# Altium PCB CW521_BallisticGel.PcbDoc (part 2 of 3)
Units mil, origin at the board's own origin, x right, y up, seen from the top; angles counter-clockwise.
Board outline 4645.67 x 3070.87 mil, 2 copper layers (Top Layer, Bottom Layer), stack 59.8 mil thick; 102 components, 83 nets, 501 pads, 442 vias.
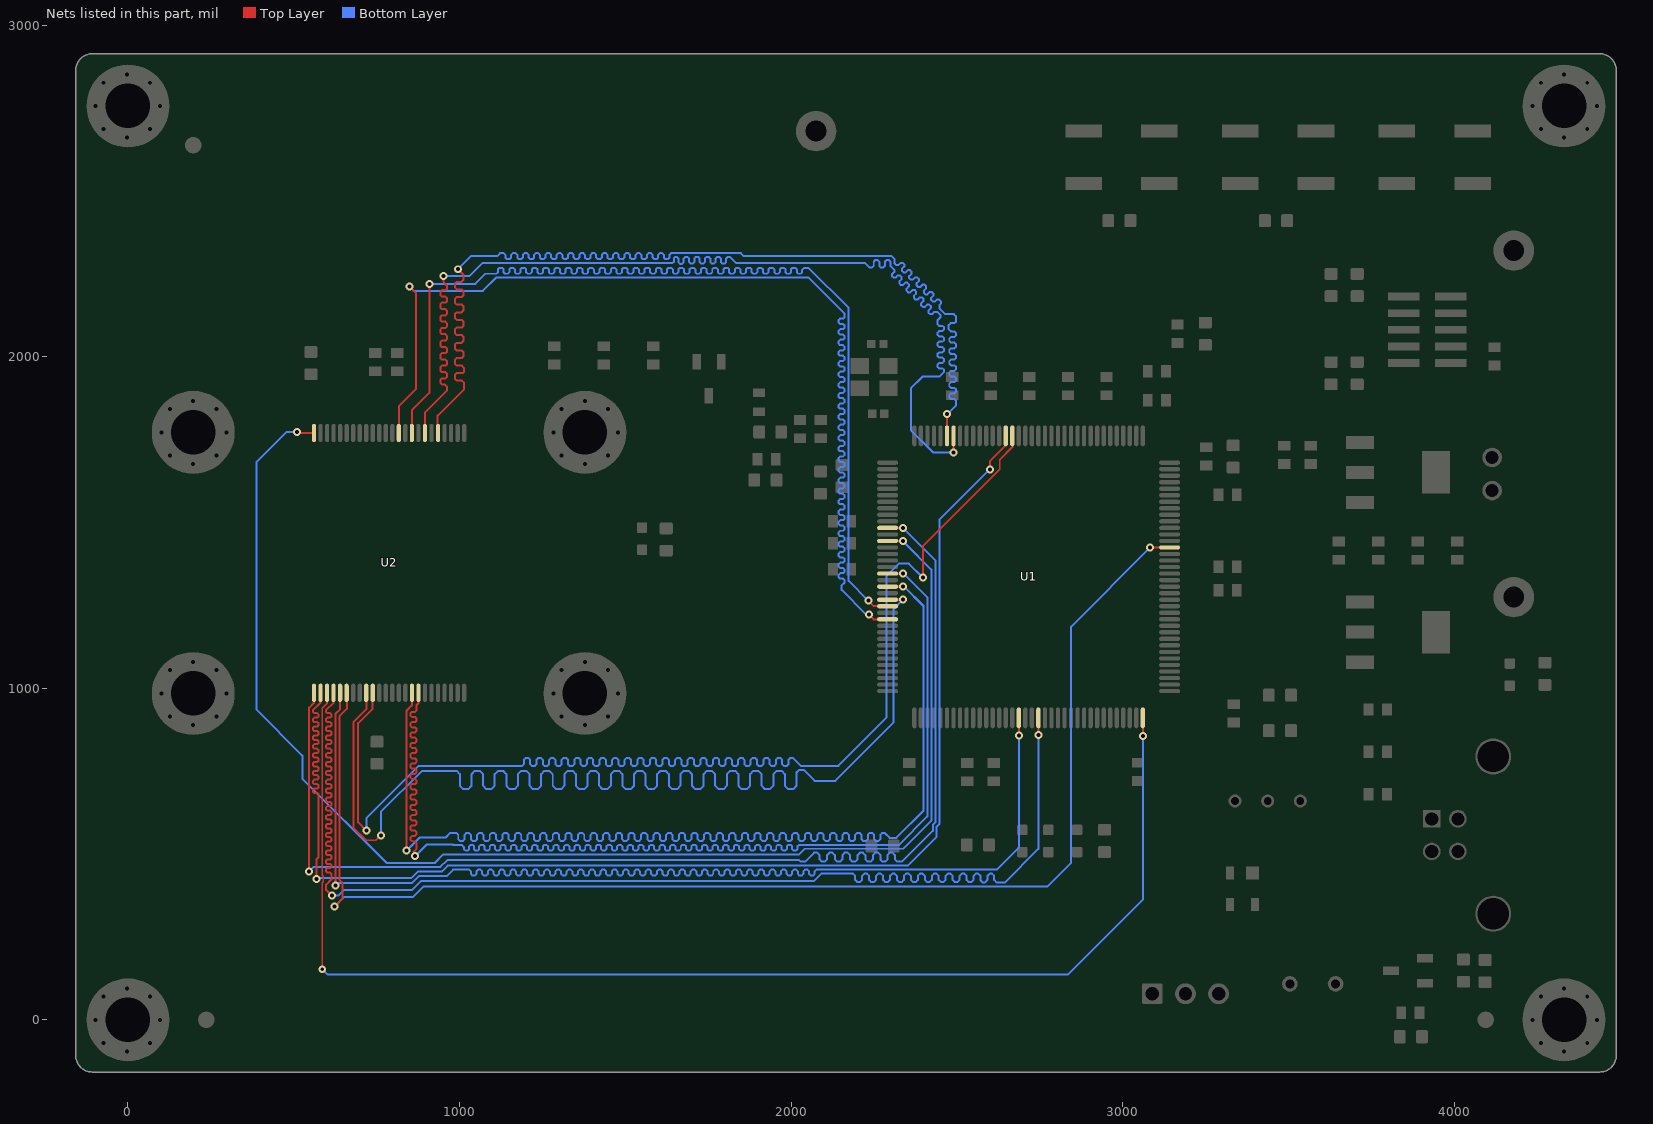
[diagram p2: the nets of this part, all layers, seen from the top]

## Via types
v1: diameter 24, hole 12, Top Layer to Bottom Layer, tented both sides, 327 vias
v2: diameter 30, hole 12, Top Layer to Bottom Layer, tented both sides, 113 vias
v3: diameter 24, hole 12, Top Layer to Bottom Layer, 2 vias

## Nets (pads, with @x,y where several pads share a name; then routed paths per layer and width w, separated by ;. In a path a pad name is that pad's centre, name@x,y a point inside that pad or via, vN(x,y) a via of type N, cw(c..) or ccw(c..) an arc to the next point about the centre after c; other vN are vias at no path point) (continued)
A11: U1.131 U2.6 | length 4055
  Top Layer w6: v1(622.91,341.54) 646.28,364.9 646.28,413.87 637.28,422.87 637.28,915.28 660,938 U2.6@660,989.8 ; v1(3082.61,1424.49) U1.131@3141.22,1424.49
  Bottom Layer w6: v1(622.91,341.54) 652.38,371 860,371 890.91,401.91 2772.02,401.91 2844.02,473.91 2844.02,1185.91 v1(3082.61,1424.49)
A12: U1.89 U2.5 | length 3839.7
  Top Layer w6: v1(625.28,405.17) 625.28,922.28 639.76,936.76 U2.5@639.76,986.22 ; v1(2686.5,857.43) U1.89@2686.5,910.71
  Bottom Layer w6: v1(625.28,405.17) 633.1,413 856.97,413 876.97,433 961,433 980.91,452.91 1029.02,452.91 1034.02,447.91 1034.02,439.91 1039.02,434.91 1046.02,434.91 1051.02,439.91 1051.02,447.91 1056.02,452.91 1063.02,452.91 1068.02,447.91 1068.02,439.91 1073.02,434.91 1080.02,434.91 1085.02,439.91 1085.02,447.91 1090.02,452.91 1097.02,452.91 1102.02,447.91 1102.02,439.91 1107.02,434.91 1114.02,434.91 1119.02,439.91 1119.02,447.91 1124.02,452.91 1131.02,452.91 1136.02,447.91 1136.02,439.91 1141.02,434.91 1148.02,434.91 1153.02,439.91 1153.02,447.91 1158.02,452.91 1165.02,452.91 1170.02,447.91 1170.02,439.91 1175.02,434.91 1182.02,434.91 1187.02,439.91 1187.02,447.91 1192.02,452.91 1199.02,452.91 1204.02,447.91 1204.02,439.91 1209.02,434.91 1216.02,434.91 1221.02,439.91 1221.02,447.91 1226.02,452.91 1233.02,452.91 1238.02,447.91 1238.02,439.91 1243.02,434.91 1250.02,434.91 1255.02,439.91 1255.02,447.91 1260.02,452.91 1267.02,452.91 1272.02,447.91 1272.02,439.91 1277.02,434.91 1284.02,434.91 1289.02,439.91 1289.02,447.91 1294.02,452.91 1301.02,452.91 1306.02,447.91 1306.02,439.91 1311.02,434.91 1318.02,434.91 1323.02,439.91 1323.02,447.91 1328.02,452.91 1335.02,452.91 1340.02,447.91 1340.02,439.91 1345.02,434.91 1352.02,434.91 1357.02,439.91 1357.02,447.91 1362.02,452.91 1369.02,452.91 1374.02,447.91 1374.02,439.91 1379.02,434.91 1386.02,434.91 1391.02,439.91 1391.02,447.91 1396.02,452.91 1403.02,452.91 1408.02,447.91 1408.02,439.91 1413.02,434.91 1420.02,434.91 1425.02,439.91 1425.02,447.91 1430.02,452.91 1437.02,452.91 1442.02,447.91 1442.02,439.91 1447.02,434.91 1454.02,434.91 1459.02,439.91 1459.02,447.91 1464.02,452.91 1471.02,452.91 1476.02,447.91 1476.02,439.91 1481.02,434.91 1488.02,434.91 1493.02,439.91 1493.02,447.91 1498.02,452.91 1505.02,452.91 1510.02,447.91 1510.02,439.91 1515.02,434.91 1522.02,434.91 1527.02,439.91 1527.02,447.91 1532.02,452.91 1539.02,452.91 1544.02,447.91 1544.02,439.91 1549.02,434.91 1556.02,434.91 1561.02,439.91 1561.02,447.91 1566.02,452.91 1573.02,452.91 1578.02,447.91 1578.02,439.91 1583.02,434.91 1590.02,434.91 1595.02,439.91 1595.02,447.91 1600.02,452.91 1607.02,452.91 1612.02,447.91 1612.02,439.91 1617.02,434.91 1624.02,434.91 1629.02,439.91 1629.02,447.91 1634.02,452.91 1641.02,452.91 1646.02,447.91 1646.02,439.91 1651.02,434.91 1658.02,434.91 1663.02,439.91 1663.02,447.91 1668.02,452.91 1675.02,452.91 1680.02,447.91 1680.02,439.91 1685.02,434.91 1692.02,434.91 1697.02,439.91 1697.02,447.91 1702.02,452.91 1709.02,452.91 1714.02,447.91 1714.02,439.91 1719.02,434.91 1726.02,434.91 1731.02,439.91 1731.02,447.91 1736.02,452.91 1743.02,452.91 1748.02,447.91 1748.02,439.91 1753.02,434.91 1760.02,434.91 1765.02,439.91 1765.02,447.91 1770.02,452.91 1777.02,452.91 1782.02,447.91 1782.02,439.91 1787.02,434.91 1794.02,434.91 1799.02,439.91 1799.02,447.91 1804.02,452.91 1811.02,452.91 1816.02,447.91 1816.02,439.91 1821.02,434.91 1828.02,434.91 1833.02,439.91 1833.02,447.91 1838.02,452.91 1845.02,452.91 1850.02,447.91 1850.02,439.91 1855.02,434.91 1862.02,434.91 1867.02,439.91 1867.02,447.91 1872.02,452.91 1879.02,452.91 1884.02,447.91 1884.02,439.91 1889.02,434.91 1896.02,434.91 1901.02,439.91 1901.02,447.91 1906.02,452.91 1913.02,452.91 1918.02,447.91 1918.02,439.91 1923.02,434.91 1930.02,434.91 1935.02,439.91 1935.02,447.91 1940.02,452.91 1947.02,452.91 1952.02,447.91 1952.02,439.91 1957.02,434.91 1964.02,434.91 1969.02,439.91 1969.02,447.91 1974.02,452.91 1981.02,452.91 1986.02,447.91 1986.02,439.91 1991.02,434.91 1998.02,434.91 2003.02,439.91 2003.02,447.91 2008.02,452.91 2015.02,452.91 2020.02,447.91 2020.02,439.91 2025.02,434.91 2032.02,434.91 2037.02,439.91 2037.02,447.91 2042.02,452.91 2049.02,452.91 2054.02,447.91 2054.02,439.91 2059.02,434.91 2066.02,434.91 2071.02,439.91 2071.02,447.91 2076.02,452.91 2620.02,452.91 2686.5,519.38 v1(2686.5,857.43)
A13: U1.92 U2.4 | length 4035.6
  Top Layer w6: v1(614.91,374.54) 597.91,391.54 597.91,407.86 613.28,423.23 613.28,440.17 608.91,444.54 600.91,444.54 597.91,447.54 597.91,454.53 600.91,457.54 610.28,457.54 613.28,460.54 613.28,467.17 609.91,470.54 600.91,470.54 597.91,473.54 597.91,480.53 601.27,483.89 610.28,483.89 613.28,486.89 613.28,493.88 609.91,497.24 600.91,497.24 597.91,500.24 597.91,507.24 601.27,510.6 610.28,510.6 613.28,513.6 613.28,520.59 609.91,523.95 600.91,523.95 597.91,526.95 597.91,533.94 601.27,537.31 610.28,537.31 613.28,540.31 613.28,547.3 609.91,550.66 600.91,550.66 597.91,553.66 597.91,560.65 601.27,564.02 610.28,564.02 613.28,567.02 613.28,574.01 609.91,577.37 600.91,577.37 597.91,580.37 597.91,587.36 601.27,590.72 610.28,590.72 613.28,593.72 613.28,600.72 609.91,604.08 600.91,604.08 597.91,607.08 597.91,614.07 601.27,617.43 610.28,617.43 613.28,620.43 613.28,627.42 609.91,630.79 600.91,630.79 597.91,633.79 597.91,640.78 601.27,644.14 610.28,644.14 613.28,647.14 613.28,654.13 609.91,657.5 600.91,657.5 597.91,660.5 597.91,667.49 601.27,670.85 610.28,670.85 613.28,673.85 613.28,680.84 609.91,684.2 600.91,684.2 597.91,687.2 597.91,694.2 601.27,697.56 610.28,697.56 613.28,700.56 613.28,707.55 609.91,710.91 600.91,710.91 597.91,713.91 597.91,720.91 601.27,724.27 610.28,724.27 613.28,727.27 613.28,734.26 609.91,737.62 600.91,737.62 597.91,740.62 597.91,747.61 601.27,750.98 610.28,750.98 613.28,753.98 613.28,760.97 609.91,764.33 600.91,764.33 597.91,767.33 597.91,774.32 601.27,777.68 610.28,777.68 613.28,780.68 613.28,787.68 609.91,791.04 600.91,791.04 597.91,794.04 597.91,801.03 601.27,804.39 610.28,804.39 613.28,807.39 613.28,814.39 609.91,817.75 600.91,817.75 597.91,820.75 597.91,827.74 601.27,831.1 610.28,831.1 613.28,834.1 613.28,841.09 609.91,844.46 600.91,844.46 597.91,847.46 597.91,854.45 601.27,857.81 610.28,857.81 613.28,860.81 613.28,867.8 609.91,871.16 600.91,871.16 597.91,874.16 597.91,881.16 601.27,884.52 610.28,884.52 613.28,887.52 613.28,894.51 609.91,897.87 600.91,897.87 597.91,900.87 597.91,907.87 601.27,911.23 610.28,911.23 613.28,914.23 613.28,921.22 609.91,924.58 600.91,924.58 597.91,927.58 597.91,934.57 620.08,956.75 U2.4@620.08,986.22 ; v1(2745.55,859.38) U1.92@2745.55,910.71
  Bottom Layer w6: v1(614.91,374.54) 634.54,374.54 652,392 857,392 883.91,418.91 2069.02,418.91 2091.02,440.91 2186.02,440.91 2193.02,433.91 2193.02,421.91 2200.02,414.91 2207.02,414.91 2214.02,421.91 2214.02,433.91 2221.02,440.91 2228.02,440.91 2235.02,433.91 2235.02,421.91 2242.02,414.91 2249.02,414.91 2256.02,421.91 2256.02,433.91 2263.02,440.91 2270.02,440.91 2277.02,433.91 2277.02,421.91 2284.02,414.91 2291.02,414.91 2298.02,421.91 2298.02,433.91 2305.02,440.91 2312.02,440.91 2319.02,433.91 2319.02,421.91 2326.02,414.91 2333.02,414.91 2340.02,421.91 2340.02,433.91 2347.02,440.91 2354.02,440.91 2361.02,433.91 2361.02,421.91 2368.02,414.91 2375.02,414.91 2382.02,421.91 2382.02,433.91 2389.02,440.91 2396.02,440.91 2403.02,433.91 2403.02,421.91 2410.02,414.91 2417.02,414.91 2424.02,421.91 2424.02,433.91 2431.02,440.91 2438.02,440.91 2445.02,433.91 2445.02,421.91 2452.02,414.91 2459.02,414.91 2466.02,421.91 2466.02,433.91 2473.02,440.91 2480.02,440.91 2487.02,433.91 2487.02,421.91 2494.02,414.91 2501.02,414.91 2508.02,421.91 2508.02,433.91 2515.02,440.91 2522.02,440.91 2529.02,433.91 2529.02,421.91 2536.02,414.91 2543.02,414.91 2550.02,421.91 2550.02,433.91 2557.02,440.91 2564.02,440.91 2571.02,433.91 2571.02,420.91 2578.02,413.91 2584.02,413.91 2592.02,421.91 2592.02,433.91 2599.02,440.91 2605.02,440.91 2612.02,433.91 2612.02,421.91 2620.02,413.91 2643.72,413.91 2745.55,515.73 v1(2745.55,859.38)
A14: U1.108 U2.3 | length 3964.9
  Top Layer w6: v1(585.91,152.54) 585.91,412.83 588.91,415.84 588.91,433.23 585.91,436.24 585.91,939.91 600.39,954.39 U2.3@600.39,986.22 ; v1(3060.51,855.42) U1.108@3060.51,910.71
  Bottom Layer w6: v1(585.91,152.54) 601.45,137 2835.12,137 3060.51,362.39 v1(3060.51,855.42)
A15: U1.22 U2.2 | length 4013.7
  Top Layer w6: v1(567.91,424.54) 567.91,483.54 573.91,489.53 573.91,680.84 570.54,684.2 561.54,684.2 558.54,687.2 558.54,694.2 561.9,697.56 570.91,697.56 573.91,700.56 573.91,707.55 570.54,710.91 561.54,710.91 558.54,713.91 558.54,720.91 561.9,724.27 570.91,724.27 573.91,727.27 573.91,734.26 570.54,737.62 561.54,737.62 558.54,740.62 558.54,747.61 561.9,750.98 570.91,750.98 573.91,753.98 573.91,760.97 570.54,764.33 561.54,764.33 558.54,767.33 558.54,774.32 561.9,777.68 570.91,777.68 573.91,780.68 573.91,787.68 570.54,791.04 561.54,791.04 558.54,794.04 558.54,801.03 561.9,804.39 570.91,804.39 573.91,807.39 573.91,814.39 570.54,817.75 561.54,817.75 558.54,820.75 558.54,827.74 561.9,831.1 570.91,831.1 573.91,834.1 573.91,841.09 570.54,844.46 561.54,844.46 558.54,847.46 558.54,854.45 561.9,857.81 570.91,857.81 573.91,860.81 573.91,867.8 570.54,871.16 561.54,871.16 558.54,874.16 558.54,881.16 561.9,884.52 570.91,884.52 573.91,887.52 573.91,894.51 570.54,897.87 561.54,897.87 558.54,900.87 558.54,907.87 561.9,911.23 570.91,911.23 573.91,914.23 573.91,921.22 570.54,924.58 561.54,924.58 558.54,927.58 558.54,934.57 580.71,956.75 U2.2@580.71,986.22 ; v1(2599.02,1659.91) 2599.02,1684.91 2647.13,1733.01 U1.22@2647.13,1761.1
  Bottom Layer w6: v1(567.91,424.54) 570.38,427 854,427 874,447 946,447 963.91,464.91 2351.72,464.91 2439,552.18 2439,582.58 2447.02,590.6 2447.02,1507.91 v1(2599.02,1659.91)
A16: U1.47 U2.1 | length 3708.6
  Top Layer w6: v1(546.54,447.16) 546.54,941.54 561.02,956.02 U2.1@561.02,986.22 ; U1.47@2290.83,1483.54 v1(2337.02,1483.54) v1@2345.39,1483.54
  Bottom Layer w6: v1(546.54,447.16) 560.38,461 942,461 962.91,481.91 2023.99,481.91 2028.99,476.91 2042.52,476.91 2069.52,503.91 2078.52,503.91 2085.52,496.91 2085.52,483.91 2092.52,476.91 2101.52,476.91 2108.52,483.91 2108.52,496.91 2115.52,503.91 2124.52,503.91 2131.52,496.91 2131.52,483.91 2138.52,476.91 2147.52,476.91 2154.52,483.91 2154.52,496.91 2161.52,503.91 2170.52,503.91 2177.52,496.91 2177.52,483.91 2184.52,476.91 2193.52,476.91 2200.52,483.91 2200.52,496.91 2207.52,503.91 2216.52,503.91 2223.52,496.91 2223.52,483.91 2230.52,476.91 2239.52,476.91 2246.52,483.91 2246.52,496.91 2253.52,503.91 2262.52,503.91 2269.52,496.91 2269.52,482.41 2275.02,476.91 2284.02,476.91 2290.02,482.91 2290.02,496.91 2297.02,503.91 2306.02,503.91 2313.02,496.91 2313.02,483.91 2320.02,476.91 2334.02,476.91 2427,569.88 2427,587.55 2435.02,595.57 2435.02,1385.91 2345.39,1475.54 v1@2345.39,1483.54
A17: U1.49 U2.48 | length 4210.9
  Top Layer w6: v1(509.57,1773.27) 513.16,1769.69 U2.48@561.02,1769.69 ; U1.49@2290.83,1444.17 v1(2337.02,1444.17) v1@2344.76,1444.17
  Bottom Layer w6: v1(509.57,1773.27) 478.27,1773.27 387,1682 387,936 526.02,796.98 526.02,726.98 780,473 925,473 949.91,497.91 2023.02,497.91 2041.02,515.91 2338.38,515.91 2423.02,600.54 2423.02,1357.91 2344.76,1436.17 v1@2344.76,1444.17
A18: U1.54 U2.17 | length 4029.8
  Top Layer w6: v1(865.8,494) 865.8,503.23 861.5,507.54 870.5,516.54 870.5,532.95 864.91,538.54 856.91,538.54 851.91,543.54 851.91,549.54 856.91,554.54 865.5,554.54 869.91,558.95 869.91,566.54 865.91,570.54 855.91,570.54 851.91,574.54 851.91,582.12 855.91,586.12 865.91,586.12 869.91,590.12 869.91,597.7 865.91,601.7 855.91,601.7 851.91,605.7 851.91,613.28 855.91,617.28 865.91,617.28 869.91,621.28 869.91,628.87 865.91,632.87 855.91,632.87 851.91,636.87 851.91,644.45 855.91,648.45 865.91,648.45 869.91,652.45 869.91,660.03 865.91,664.03 855.91,664.03 851.91,668.03 851.91,675.61 855.91,679.61 865.91,679.61 869.91,683.61 869.91,691.2 865.91,695.2 855.91,695.2 851.91,699.2 851.91,706.78 855.91,710.78 865.91,710.78 869.91,714.78 869.91,722.36 865.91,726.36 855.91,726.36 851.91,730.36 851.91,737.94 855.91,741.94 865.91,741.94 869.91,745.94 869.91,753.53 865.91,757.53 855.91,757.53 851.91,761.53 851.91,769.11 855.91,773.11 865.91,773.11 869.91,777.11 869.91,784.69 865.91,788.69 855.91,788.69 851.91,792.69 851.91,800.27 855.91,804.27 865.91,804.27 869.91,808.27 869.91,815.86 865.91,819.86 855.91,819.86 851.91,823.86 851.91,831.44 855.91,835.44 865.91,835.44 869.91,839.44 869.91,847.02 865.91,851.02 855.91,851.02 851.91,855.02 851.91,862.6 855.91,866.6 865.91,866.6 869.91,870.6 869.91,878.19 865.91,882.19 855.91,882.19 851.91,886.19 851.91,893.77 855.91,897.77 865.91,897.77 869.91,901.77 869.91,909.35 865.91,913.35 855.91,913.35 851.91,917.35 851.91,924.94 855.91,928.94 865.91,928.94 869.91,932.94 869.91,947.91 875.98,953.98 U2.17@875.98,986.22 ; U1.54@2290.83,1345.75 v1(2337.02,1345.75) v1@2339.18,1345.75
  Bottom Layer w6: v1(865.8,494) 900.29,528.49 979.61,528.49 980.19,527.91 1006.02,527.91 1013.02,520.91 1013.02,514.91 1018.02,509.91 1024.02,509.91 1029.02,514.91 1029.02,522.91 1034.02,527.91 1040.02,527.91 1044.02,523.91 1044.02,513.91 1048.02,509.91 1055.02,509.91 1059.02,513.91 1059.02,522.91 1064.02,527.91 1071.02,527.91 1075.02,523.91 1075.02,514.91 1080.02,509.91 1087.02,509.91 1091.02,513.91 1091.02,522.91 1096.02,527.91 1103.02,527.91 1107.02,523.91 1107.02,514.91 1112.02,509.91 1118.02,509.91 1123.02,514.91 1123.02,522.91 1128.02,527.91 1134.02,527.91 1139.02,522.91 1139.02,514.91 1144.02,509.91 1150.02,509.91 1155.02,514.91 1155.02,522.91 1160.02,527.91 1166.02,527.91 1171.02,522.91 1171.02,514.91 1176.02,509.91 1182.02,509.91 1187.02,514.91 1187.02,522.91 1192.02,527.91 1198.02,527.91 1203.02,522.91 1203.02,514.91 1208.02,509.91 1214.02,509.91 1219.02,514.91 1219.02,522.91 1224.02,527.91 1230.02,527.91 1235.02,522.91 1235.02,514.91 1240.02,509.91 1246.02,509.91 1251.02,514.91 1251.02,522.91 1256.02,527.91 1262.02,527.91 1267.02,522.91 1267.02,514.91 1272.02,509.91 1278.02,509.91 1283.02,514.91 1283.02,522.91 1288.02,527.91 1294.02,527.91 1299.02,522.91 1299.02,514.91 1304.02,509.91 1310.02,509.91 1315.02,514.91 1315.02,522.91 1320.02,527.91 1326.02,527.91 1331.02,522.91 1331.02,514.91 1336.02,509.91 1342.02,509.91 1347.02,514.91 1347.02,522.91 1352.02,527.91 1358.02,527.91 1363.02,522.91 1363.02,514.91 1368.02,509.91 1374.02,509.91 1379.02,514.91 1379.02,522.91 1384.02,527.91 1390.02,527.91 1395.02,522.91 1395.02,514.91 1400.02,509.91 1406.02,509.91 1411.02,514.91 1411.02,522.91 1416.02,527.91 1422.02,527.91 1427.02,522.91 1427.02,514.91 1432.02,509.91 1438.02,509.91 1443.02,514.91 1443.02,522.91 1448.02,527.91 1454.02,527.91 1459.02,522.91 1459.02,514.91 1464.02,509.91 1470.02,509.91 1475.02,514.91 1475.02,522.91 1480.02,527.91 1486.02,527.91 1491.02,522.91 1491.02,514.91 1496.02,509.91 1502.02,509.91 1507.02,514.91 1507.02,522.91 1512.02,527.91 1518.02,527.91 1523.02,522.91 1523.02,514.91 1528.02,509.91 1534.02,509.91 1539.02,514.91 1539.02,522.91 1544.02,527.91 1550.02,527.91 1555.02,522.91 1555.02,514.91 1560.02,509.91 1566.02,509.91 1571.02,514.91 1571.02,522.91 1576.02,527.91 1582.02,527.91 1587.02,522.91 1587.02,514.91 1592.02,509.91 1598.02,509.91 1603.02,514.91 1603.02,522.91 1608.02,527.91 1614.02,527.91 1619.02,522.91 1619.02,514.91 1624.02,509.91 1630.02,509.91 1635.02,514.91 1635.02,522.91 1640.02,527.91 1646.02,527.91 1651.02,522.91 1651.02,514.91 1656.02,509.91 1662.02,509.91 1667.02,514.91 1667.02,522.91 1672.02,527.91 1678.02,527.91 1683.02,522.91 1683.02,514.91 1688.02,509.91 1694.02,509.91 1699.02,514.91 1699.02,522.91 1704.02,527.91 1710.02,527.91 1715.02,522.91 1715.02,514.91 1720.02,509.91 1726.02,509.91 1731.02,514.91 1731.02,522.91 1736.02,527.91 1742.02,527.91 1747.02,522.91 1747.02,514.91 1752.02,509.91 1758.02,509.91 1763.02,514.91 1763.02,522.91 1768.02,527.91 1774.02,527.91 1779.02,522.91 1779.02,514.91 1784.02,509.91 1790.02,509.91 1795.02,514.91 1795.02,522.91 1800.02,527.91 1806.02,527.91 1811.02,522.91 1811.02,514.91 1816.02,509.91 1822.02,509.91 1827.02,514.91 1827.02,522.91 1832.02,527.91 1838.02,527.91 1843.02,522.91 1843.02,514.91 1848.02,509.91 1854.02,509.91 1859.02,514.91 1859.02,522.91 1864.02,527.91 1870.02,527.91 1875.02,522.91 1875.02,514.91 1880.02,509.91 1886.02,509.91 1891.02,514.91 1891.02,522.91 1896.02,527.91 1902.02,527.91 1907.02,522.91 1907.02,514.91 1912.02,509.91 1918.02,509.91 1923.02,514.91 1923.02,522.91 1928.02,527.91 1934.02,527.91 1939.02,522.91 1939.02,514.91 1944.02,509.91 1950.02,509.91 1955.02,514.91 1955.02,522.91 1960.02,527.91 1966.02,527.91 1971.02,522.91 1971.02,514.91 1976.02,509.91 1982.02,509.91 1987.02,514.91 1987.02,522.91 1992.02,527.91 1998.02,527.91 2003.02,522.91 2003.02,514.91 2008.02,509.91 2014.02,509.91 2019.02,514.91 2019.02,522.91 2024.02,527.91 2325.63,527.91 2411.02,613.3 2411.02,1273.91 v1@2339.18,1345.75
A19: U1.56 U2.16 | length 4018.1
  Top Layer w6: v1(839.91,510.54) 839.91,931.91 856.3,948.3 U2.16@856.3,986.22 ; U1.56@2290.83,1306.38 v1(2337.02,1306.38) v1@2340.55,1306.38
  Bottom Layer w6: v1(839.91,510.54) 879.28,549.91 958.02,549.91 971.02,562.91 991.02,562.91 996.02,557.91 996.02,544.91 1001.02,539.91 1010.02,539.91 1015.02,544.91 1015.02,557.91 1020.02,562.91 1029.02,562.91 1034.02,557.91 1034.02,544.91 1039.02,539.91 1048.02,539.91 1053.02,544.91 1053.02,557.91 1058.02,562.91 1067.02,562.91 1072.02,557.91 1072.02,544.91 1077.02,539.91 1086.02,539.91 1091.02,544.91 1091.02,557.91 1096.02,562.91 1105.02,562.91 1110.02,557.91 1110.02,544.91 1115.02,539.91 1124.02,539.91 1129.02,544.91 1129.02,557.91 1134.02,562.91 1143.02,562.91 1148.02,557.91 1148.02,544.91 1153.02,539.91 1162.02,539.91 1167.02,544.91 1167.02,557.91 1172.02,562.91 1181.02,562.91 1186.02,557.91 1186.02,544.91 1191.02,539.91 1200.02,539.91 1205.02,544.91 1205.02,557.91 1210.02,562.91 1219.02,562.91 1224.02,557.91 1224.02,544.91 1229.02,539.91 1238.02,539.91 1243.02,544.91 1243.02,557.91 1248.02,562.91 1257.02,562.91 1262.02,557.91 1262.02,544.91 1267.02,539.91 1276.02,539.91 1281.02,544.91 1281.02,557.91 1286.02,562.91 1295.02,562.91 1300.02,557.91 1300.02,544.91 1305.02,539.91 1314.02,539.91 1319.02,544.91 1319.02,557.91 1324.02,562.91 1333.02,562.91 1338.02,557.91 1338.02,544.91 1343.02,539.91 1352.02,539.91 1357.02,544.91 1357.02,557.91 1362.02,562.91 1371.02,562.91 1376.02,557.91 1376.02,544.91 1381.02,539.91 1390.02,539.91 1395.02,544.91 1395.02,557.91 1400.02,562.91 1409.02,562.91 1414.02,557.91 1414.02,544.91 1419.02,539.91 1428.02,539.91 1433.02,544.91 1433.02,557.91 1438.02,562.91 1447.02,562.91 1452.02,557.91 1452.02,544.91 1457.02,539.91 1466.02,539.91 1471.02,544.91 1471.02,557.91 1476.02,562.91 1485.02,562.91 1490.02,557.91 1490.02,544.91 1495.02,539.91 1504.02,539.91 1509.02,544.91 1509.02,557.91 1514.02,562.91 1523.02,562.91 1528.02,557.91 1528.02,544.91 1533.02,539.91 1542.02,539.91 1547.02,544.91 1547.02,557.91 1552.02,562.91 1561.02,562.91 1566.02,557.91 1566.02,544.91 1571.02,539.91 1580.02,539.91 1585.02,544.91 1585.02,557.91 1590.02,562.91 1599.02,562.91 1604.02,557.91 1604.02,544.91 1609.02,539.91 1618.02,539.91 1623.02,544.91 1623.02,557.91 1628.02,562.91 1637.02,562.91 1642.02,557.91 1642.02,544.91 1647.02,539.91 1656.02,539.91 1661.02,544.91 1661.02,557.91 1666.02,562.91 1675.02,562.91 1680.02,557.91 1680.02,544.91 1685.02,539.91 1694.02,539.91 1699.02,544.91 1699.02,557.91 1704.02,562.91 1713.02,562.91 1718.02,557.91 1718.02,544.91 1723.02,539.91 1732.02,539.91 1737.02,544.91 1737.02,557.91 1742.02,562.91 1751.02,562.91 1756.02,557.91 1756.02,544.91 1761.02,539.91 1770.02,539.91 1775.02,544.91 1775.02,557.91 1780.02,562.91 1789.02,562.91 1794.02,557.91 1794.02,544.91 1799.02,539.91 1808.02,539.91 1813.02,544.91 1813.02,557.91 1818.02,562.91 1827.02,562.91 1832.02,557.91 1832.02,544.91 1837.02,539.91 1846.02,539.91 1851.02,544.91 1851.02,557.91 1856.02,562.91 1865.02,562.91 1870.02,557.91 1870.02,544.91 1875.02,539.91 1884.02,539.91 1889.02,544.91 1889.02,557.91 1894.02,562.91 1903.02,562.91 1908.02,557.91 1908.02,544.91 1913.02,539.91 1922.02,539.91 1927.02,544.91 1927.02,557.91 1932.02,562.91 1941.02,562.91 1946.02,557.91 1946.02,544.91 1951.02,539.91 1960.02,539.91 1965.02,544.91 1965.02,557.91 1970.02,562.91 1979.02,562.91 1984.02,557.91 1984.02,544.91 1989.02,539.91 1998.02,539.91 2003.02,544.91 2003.02,557.91 2008.02,562.91 2017.02,562.91 2022.02,557.91 2022.02,544.91 2027.02,539.91 2036.02,539.91 2041.02,544.91 2041.02,557.91 2046.02,562.91 2055.02,562.91 2060.02,557.91 2060.02,544.91 2065.02,539.91 2074.02,539.91 2079.02,544.91 2079.02,557.91 2084.02,562.91 2093.02,562.91 2098.02,557.91 2098.02,544.91 2103.02,539.91 2112.02,539.91 2117.02,544.91 2117.02,557.91 2122.02,562.91 2131.02,562.91 2136.02,557.91 2136.02,544.91 2141.02,539.91 2150.02,539.91 2155.02,544.91 2155.02,557.91 2160.02,562.91 2169.02,562.91 2174.02,557.91 2174.02,544.91 2179.02,539.91 2188.02,539.91 2193.02,544.91 2193.02,557.91 2198.02,562.91 2207.02,562.91 2212.02,557.91 2212.02,544.91 2217.02,539.91 2226.02,539.91 2231.02,544.91 2231.02,557.91 2236.02,562.91 2245.02,562.91 2250.02,557.91 2250.02,544.91 2255.02,539.91 2264.02,539.91 2269.02,544.91 2269.02,557.91 2274.02,562.91 2283.02,562.91 2297.02,548.91 2316.93,548.91 2399.02,631 2399.02,1247.91 v1@2340.55,1306.38
A20: U1.58 U2.9 | length 4015.7
  Top Layer w6: U2.9@719,989.8 719,936.59 679.91,897.51 679.91,579.54 717.91,541.54 747.91,541.54 v1(762.91,556.54)
  Top Layer w8: U1.58@2290.83,1267.01 v1(2337.13,1267.01)
  Bottom Layer w6: v1(762.91,556.54) 762.91,626.91 886.91,750.91 991.02,750.91 1001.02,740.91 1001.02,705.91 1011.02,695.91 1026.02,695.91 1036.02,705.91 1036.02,740.91 1046.02,750.91 1061.02,750.91 1071.02,740.91 1071.02,705.91 1081.02,695.91 1096.02,695.91 1106.02,705.91 1106.02,740.91 1116.02,750.91 1131.02,750.91 1141.02,740.91 1141.02,705.91 1151.02,695.91 1166.02,695.91 1176.02,705.91 1176.02,740.91 1186.02,750.91 1201.02,750.91 1211.02,740.91 1211.02,705.91 1221.02,695.91 1236.02,695.91 1246.02,705.91 1246.02,740.91 1256.02,750.91 1271.02,750.91 1281.02,740.91 1281.02,705.91 1291.02,695.91 1306.02,695.91 1316.02,705.91 1316.02,740.91 1326.02,750.91 1341.02,750.91 1351.02,740.91 1351.02,705.91 1361.02,695.91 1376.02,695.91 1386.02,705.91 1386.02,740.91 1396.02,750.91 1411.02,750.91 1421.02,740.91 1421.02,705.91 1431.02,695.91 1446.02,695.91 1456.02,705.91 1456.02,740.91 1466.02,750.91 1481.02,750.91 1491.02,740.91 1491.02,705.91 1501.02,695.91 1516.02,695.91 1526.02,705.91 1526.02,740.91 1536.02,750.91 1551.02,750.91 1561.02,740.91 1561.02,705.91 1571.02,695.91 1586.02,695.91 1596.02,705.91 1596.02,740.91 1606.02,750.91 1621.02,750.91 1631.02,740.91 1631.02,705.91 1641.02,695.91 1656.02,695.91 1666.02,705.91 1666.02,740.91 1676.02,750.91 1691.02,750.91 1701.02,740.91 1701.02,705.91 1711.02,695.91 1726.02,695.91 1736.02,705.91 1736.02,740.91 1746.02,750.91 1761.02,750.91 1771.02,740.91 1771.02,705.91 1781.02,695.91 1796.02,695.91 1806.02,705.91 1806.02,740.91 1816.02,750.91 1831.02,750.91 1841.02,740.91 1841.02,705.91 1851.02,695.91 1866.02,695.91 1876.02,705.91 1876.02,740.91 1886.02,750.91 1901.02,750.91 1911.02,740.91 1911.02,705.91 1921.02,695.91 1936.02,695.91 1946.02,705.91 1946.02,740.91 1956.02,750.91 1971.02,750.91 1981.02,740.91 1981.02,705.91 1991.02,695.91 2006.02,695.91 2016.02,705.91 2016.02,745.91 2023.02,752.91 2039.02,752.91 2071.02,720.91 2133.02,720.91 2309.02,896.91 2309.02,1238.91 v1(2337.13,1267.01)
A21: U1.21 U2.10 | length 4034.6
  Top Layer w6: v1(718.91,570.54) 693.91,595.54 693.91,894.54 738,938.62 U2.10@738,989.8 ; v1(2397.02,1333.91) 2397.02,1428.21 2629.02,1660.21 2629.02,1689.6 2666.81,1727.39 U1.21@2666.81,1761.1
  Bottom Layer w6: v1(718.91,570.54) 718.91,607.91 876.91,765.91 1189.02,765.91 1194.02,770.91 1194.02,783.91 1199.02,788.91 1208.02,788.91 1213.02,783.91 1213.02,770.91 1218.02,765.91 1227.02,765.91 1232.02,770.91 1232.02,783.91 1237.02,788.91 1246.02,788.91 1251.02,783.91 1251.02,770.91 1256.02,765.91 1265.02,765.91 1270.02,770.91 1270.02,783.91 1275.02,788.91 1284.02,788.91 1289.02,783.91 1289.02,770.91 1294.02,765.91 1303.02,765.91 1308.02,770.91 1308.02,783.91 1313.02,788.91 1322.02,788.91 1327.02,783.91 1327.02,770.91 1332.02,765.91 1341.02,765.91 1346.02,770.91 1346.02,783.91 1351.02,788.91 1360.02,788.91 1365.02,783.91 1365.02,770.91 1370.02,765.91 1379.02,765.91 1384.02,770.91 1384.02,783.91 1389.02,788.91 1398.02,788.91 1403.02,783.91 1403.02,770.91 1408.02,765.91 1417.02,765.91 1422.02,770.91 1422.02,783.91 1427.02,788.91 1436.02,788.91 1441.02,783.91 1441.02,770.91 1446.02,765.91 1455.02,765.91 1460.02,770.91 1460.02,783.91 1465.02,788.91 1474.02,788.91 1479.02,783.91 1479.02,770.91 1484.02,765.91 1493.02,765.91 1498.02,770.91 1498.02,783.91 1503.02,788.91 1512.02,788.91 1517.02,783.91 1517.02,770.91 1522.02,765.91 1531.02,765.91 1536.02,770.91 1536.02,783.91 1541.02,788.91 1550.02,788.91 1555.02,783.91 1555.02,770.91 1560.02,765.91 1569.02,765.91 1574.02,770.91 1574.02,783.91 1579.02,788.91 1588.02,788.91 1593.02,783.91 1593.02,770.91 1598.02,765.91 1607.02,765.91 1612.02,770.91 1612.02,783.91 1617.02,788.91 1626.02,788.91 1631.02,783.91 1631.02,770.91 1636.02,765.91 1645.02,765.91 1650.02,770.91 1650.02,783.91 1655.02,788.91 1664.02,788.91 1669.02,783.91 1669.02,770.91 1674.02,765.91 1683.02,765.91 1688.02,770.91 1688.02,783.91 1693.02,788.91 1702.02,788.91 1707.02,783.91 1707.02,770.91 1712.02,765.91 1721.02,765.91 1726.02,770.91 1726.02,783.91 1731.02,788.91 1740.02,788.91 1745.02,783.91 1745.02,770.91 1750.02,765.91 1759.02,765.91 1764.02,770.91 1764.02,783.91 1769.02,788.91 1778.02,788.91 1783.02,783.91 1783.02,770.91 1788.02,765.91 1797.02,765.91 1802.02,770.91 1802.02,783.91 1807.02,788.91 1816.02,788.91 1821.02,783.91 1821.02,770.91 1826.02,765.91 1835.02,765.91 1840.02,770.91 1840.02,783.91 1845.02,788.91 1854.02,788.91 1859.02,783.91 1859.02,770.91 1864.02,765.91 1873.02,765.91 1878.02,770.91 1878.02,783.91 1883.02,788.91 1892.02,788.91 1897.02,783.91 1897.02,770.91 1902.02,765.91 1911.02,765.91 1916.02,770.91 1916.02,783.91 1921.02,788.91 1930.02,788.91 1935.02,783.91 1935.02,770.91 1940.02,765.91 1949.02,765.91 1954.02,770.91 1954.02,783.91 1959.02,788.91 1968.02,788.91 1973.02,783.91 1973.02,770.91 1978.02,765.91 1987.02,765.91 1992.02,770.91 1992.02,783.91 1997.02,788.91 2006.02,788.91 2029.02,765.91 2142.02,765.91 2288.02,911.91 2288.02,1338.91 2325.02,1375.91 2355.02,1375.91 v1(2397.02,1333.91)
D0: U1.31 U2.29 | length 3522.5
  Top Layer w6: U2.29@934,1773.27 934,1821.99 1013.91,1901.9 1013.91,1920.54 1006.91,1927.54 991.91,1927.54 985.91,1933.54 985.91,1945.54 990.91,1950.54 1009.91,1950.54 1013.91,1954.54 1013.91,1965.54 1006.91,1972.54 991.91,1972.54 985.91,1978.54 985.91,1990.54 990.91,1995.54 1005.91,1995.54 1011.91,2001.54 1011.91,2013.54 1006.91,2018.54 991.91,2018.54 985.91,2024.54 985.91,2036.54 990.91,2041.54 1005.91,2041.54 1011.91,2047.54 1011.91,2059.54 1006.91,2064.54 991.91,2064.54 985.91,2070.54 985.91,2082.54 990.91,2087.54 1005.91,2087.54 1011.91,2093.54 1011.91,2105.54 1006.91,2110.54 991.91,2110.54 985.91,2116.54 985.91,2128.54 990.91,2133.54 1005.91,2133.54 1011.91,2139.54 1011.91,2151.54 1006.91,2156.54 991.91,2156.54 985.91,2162.54 985.91,2174.54 990.91,2179.54 1005.91,2179.54 1011.91,2185.54 1011.91,2197.54 1006.91,2202.54 991.91,2202.54 985.91,2208.54 985.91,2220.54 990.91,2225.54 1005.91,2225.54 1011.91,2231.54 1011.91,2246.54 v1(994.91,2263.54) ; U1.31@2469.96,1761.1 2470.02,1761.17 v1(2470.02,1826.58) v1@2470.02,1829.91
  Bottom Layer w6: v1(994.91,2263.54) 1034.28,2302.91 1113.02,2302.91 1122.02,2311.91 1133.02,2311.91 1139.02,2305.91 1139.02,2297.91 1143.02,2293.91 1151.02,2293.91 1155.02,2297.91 1155.02,2305.91 1161.02,2311.91 1169.02,2311.91 1174.02,2306.91 1174.02,2297.91 1178.02,2293.91 1186.02,2293.91 1191.02,2298.91 1191.02,2306.91 1196.02,2311.91 1203.02,2311.91 1208.02,2306.91 1208.02,2298.91 1213.02,2293.91 1220.02,2293.91 1225.02,2298.91 1225.02,2306.91 1230.02,2311.91 1237.02,2311.91 1242.02,2306.91 1242.02,2298.91 1247.02,2293.91 1254.02,2293.91 1259.02,2298.91 1259.02,2306.91 1264.02,2311.91 1271.02,2311.91 1276.02,2306.91 1276.02,2298.91 1281.02,2293.91 1288.02,2293.91 1293.02,2298.91 1293.02,2306.91 1298.02,2311.91 1305.02,2311.91 1310.02,2306.91 1310.02,2298.91 1315.02,2293.91 1322.02,2293.91 1327.02,2298.91 1327.02,2306.91 1332.02,2311.91 1339.02,2311.91 1344.02,2306.91 1344.02,2298.91 1349.02,2293.91 1356.02,2293.91 1361.02,2298.91 1361.02,2306.91 1366.02,2311.91 1373.02,2311.91 1378.02,2306.91 1378.02,2298.91 1383.02,2293.91 1390.02,2293.91 1395.02,2298.91 1395.02,2306.91 1400.02,2311.91 1407.02,2311.91 1412.02,2306.91 1412.02,2298.91 1417.02,2293.91 1424.02,2293.91 1429.02,2298.91 1429.02,2306.91 1434.02,2311.91 1441.02,2311.91 1446.02,2306.91 1446.02,2298.91 1451.02,2293.91 1458.02,2293.91 1463.02,2298.91 1463.02,2306.91 1468.02,2311.91 1475.02,2311.91 1480.02,2306.91 1480.02,2298.91 1485.02,2293.91 1492.02,2293.91 1497.02,2298.91 1497.02,2306.91 1502.02,2311.91 1509.02,2311.91 1514.02,2306.91 1514.02,2298.91 1519.02,2293.91 1526.02,2293.91 1531.02,2298.91 1531.02,2306.91 1536.02,2311.91 1543.02,2311.91 1548.02,2306.91 1548.02,2298.91 1553.02,2293.91 1560.02,2293.91 1565.02,2298.91 1565.02,2306.91 1570.02,2311.91 1577.02,2311.91 1582.02,2306.91 1582.02,2298.91 1587.02,2293.91 1594.02,2293.91 1599.02,2298.91 1599.02,2306.91 1604.02,2311.91 1611.02,2311.91 1616.02,2306.91 1616.02,2298.91 1621.02,2293.91 1628.02,2293.91 1633.02,2298.91 1633.02,2306.91 1638.02,2311.91 1848.02,2311.91 1857.02,2302.91 2302.72,2302.91 2312.02,2293.6 2312.02,2280.88 2317.01,2275.89 2323.01,2275.89 2330.02,2282.91 2336.05,2282.91 2341.04,2277.92 2341.04,2271.92 2334.02,2264.91 2334.02,2258.88 2339.01,2253.89 2345.01,2253.89 2352.02,2260.91 2358.05,2260.91 2363.04,2255.92 2363.04,2249.92 2356.02,2242.91 2356.02,2236.88 2361.01,2231.89 2367.01,2231.89 2374.02,2238.91 2380.05,2238.91 2385.04,2233.92 2385.04,2227.92 2378.02,2220.91 2378.02,2214.88 2383.01,2209.89 2389.01,2209.89 2396.02,2216.91 2402.05,2216.91 2407.04,2211.92 2407.04,2205.92 2400.02,2198.91 2400.02,2192.88 2405.01,2187.89 2411.01,2187.89 2418.02,2194.91 2424.05,2194.91 2429.04,2189.92 2429.04,2183.92 2422.02,2176.91 2422.02,2170.88 2427.01,2165.89 2433.01,2165.89 2440.02,2172.91 2445.45,2172.91 2451.74,2166.62 2451.74,2159.62 2447.02,2154.91 2447.02,2145.91 2465.02,2127.91 2490.45,2127.91 2497.33,2121.02 2497.33,2105.91 2492.33,2100.91 2481.02,2100.91 2475.02,2094.91 2475.02,2082.91 2482.02,2075.91 2492.33,2075.91 2497.33,2070.91 2497.33,2064.21 2492.02,2058.91 2481.72,2058.91 2476.72,2053.91 2476.72,2047.21 2482.02,2041.91 2492.33,2041.91 2497.33,2036.91 2497.33,2030.21 2492.02,2024.91 2481.72,2024.91 2476.72,2019.91 2476.72,2013.21 2482.02,2007.91 2492.33,2007.91 2497.33,2002.91 2497.33,1996.21 2492.02,1990.91 2481.72,1990.91 2476.72,1985.91 2476.72,1979.21 2482.02,1973.91 2492.33,1973.91 2497.33,1968.91 2497.33,1962.21 2492.02,1956.91 2481.72,1956.91 2476.72,1951.91 2476.72,1945.21 2482.02,1939.91 2492.33,1939.91 2497.33,1934.91 2497.33,1928.21 2492.02,1922.91 2481.72,1922.91 2476.72,1917.91 2476.72,1911.21 2482.02,1905.91 2492.33,1905.91 2497.33,1900.91 2497.33,1894.21 2492.02,1888.91 2481.72,1888.91 2476.72,1883.91 2476.72,1877.21 2482.02,1871.91 2492.33,1871.91 2497.33,1866.91 2497.33,1853.89 v1(2470.02,1826.58)
D1: U1.30 U2.31 | length 3464.9
  Top Layer w6: U2.31@896,1773.27 896,1831.62 961.91,1897.54 961.91,1909.54 954.91,1916.54 946.91,1916.54 941.91,1921.54 941.91,1929.54 946.91,1934.54 957.91,1934.54 961.91,1938.54 961.91,1948.54 956.91,1953.54 945.91,1953.54 941.91,1957.54 941.91,1967.54 946.91,1972.54 957.91,1972.54 961.91,1976.54 961.91,1986.54 956.91,1991.54 945.91,1991.54 941.91,1995.54 941.91,2005.54 946.91,2010.54 957.91,2010.54 961.91,2014.54 961.91,2024.54 956.91,2029.54 945.91,2029.54 941.91,2033.54 941.91,2043.54 946.91,2048.54 957.91,2048.54 961.91,2052.54 961.91,2062.54 956.91,2067.54 945.91,2067.54 941.91,2071.54 941.91,2081.54 946.91,2086.54 957.91,2086.54 961.91,2090.54 961.91,2100.54 956.91,2105.54 945.91,2105.54 941.91,2109.54 941.91,2119.54 946.91,2124.54 957.91,2124.54 961.91,2128.54 961.91,2138.54 956.91,2143.54 945.91,2143.54 941.91,2147.54 941.91,2157.54 946.91,2162.54 957.91,2162.54 961.91,2166.54 961.91,2176.54 956.91,2181.54 945.91,2181.54 941.91,2185.54 941.91,2195.54 946.91,2200.54 957.91,2200.54 961.91,2204.54 961.91,2214.54 950.91,2225.54 v1(950.91,2242.54) ; v1(2489.65,1711.28) U1.30@2489.65,1761.1
  Bottom Layer w6: v1(950.91,2242.54) 1029.65,2242.54 1069.02,2281.91 1642.02,2281.91 1646.02,2285.91 1646.02,2296.91 1649.02,2299.91 1656.02,2299.91 1660.02,2295.91 1660.02,2284.91 1665.02,2279.91 1671.02,2279.91 1676.02,2284.91 1676.02,2295.91 1680.02,2299.91 1688.02,2299.91 1692.02,2295.91 1692.02,2284.91 1696.02,2280.91 1704.02,2280.91 1708.02,2284.91 1708.02,2295.91 1712.02,2299.91 1720.02,2299.91 1724.02,2295.91 1724.02,2284.91 1728.02,2280.91 1736.02,2280.91 1740.02,2284.91 1740.02,2295.91 1744.02,2299.91 1752.02,2299.91 1756.02,2295.91 1756.02,2284.91 1760.02,2280.91 1768.02,2280.91 1772.02,2284.91 1772.02,2295.91 1776.02,2299.91 1784.02,2299.91 1788.02,2295.91 1788.02,2284.91 1792.02,2280.91 1800.02,2280.91 1804.02,2284.91 1804.02,2295.91 1808.02,2299.91 1816.02,2299.91 1834.02,2281.91 2223.02,2281.91 2236.02,2268.91 2244.02,2268.91 2249.02,2273.91 2249.02,2286.91 2253.02,2290.91 2261.02,2290.91 2266.02,2285.91 2266.02,2272.91 2270.02,2268.91 2278.02,2268.91 2283.02,2273.91 2283.02,2286.91 2287.02,2290.91 2295.02,2290.91 2300.02,2285.91 2300.02,2272.94 2311.04,2261.92 2311.04,2255.92 2304.02,2248.91 2304.02,2242.88 2309.01,2237.89 2315.01,2237.89 2322.02,2244.91 2328.05,2244.91 2333.04,2239.92 2333.04,2233.92 2326.02,2226.91 2326.02,2220.88 2331.01,2215.89 2337.01,2215.89 2344.02,2222.91 2350.05,2222.91 2355.04,2217.92 2355.04,2211.92 2348.02,2204.91 2348.02,2198.88 2353.01,2193.89 2359.01,2193.89 2366.02,2200.91 2372.05,2200.91 2377.04,2195.92 2377.04,2189.92 2370.02,2182.91 2370.02,2176.88 2375.01,2171.89 2381.01,2171.89 2388.02,2178.91 2394.05,2178.91 2399.04,2173.92 2399.04,2167.92 2392.02,2160.91 2392.02,2154.88 2397.01,2149.89 2403.01,2149.89 2410.02,2156.91 2416.05,2156.91 2421.04,2151.92 2421.04,2145.92 2414.02,2138.91 2414.02,2132.88 2419.01,2127.89 2425.01,2127.89 2432.02,2134.91 2441.02,2134.91 2450.02,2125.91 2450.02,2117.91 2441.02,2108.91 2441.02,2097.91 2446.02,2092.91 2456.02,2092.91 2461.02,2087.91 2461.02,2081.91 2456.02,2076.91 2446.02,2076.91 2441.02,2071.91 2441.02,2065.91 2446.02,2060.91 2456.02,2060.91 2461.02,2055.91 2461.02,2049.91 2456.02,2044.91 2446.02,2044.91 2441.02,2039.91 2441.02,2033.91 2446.02,2028.91 2456.02,2028.91 2461.02,2023.91 2461.02,2017.91 2456.02,2012.91 2446.02,2012.91 2441.02,2007.91 2441.02,2001.91 2446.02,1996.91 2456.02,1996.91 2461.02,1991.91 2461.02,1985.91 2456.02,1980.91 2446.02,1980.91 2441.02,1975.91 2441.02,1969.91 2446.02,1964.91 2456.02,1964.91 2461.02,1959.91 2461.02,1953.91 2447.02,1939.91 2396.02,1939.91 2361.02,1904.91 2361.02,1777.91 2427.65,1711.28 v1(2489.65,1711.28)
D2: U1.59 U2.33 | length 3467
  Top Layer w6: U2.33@856,1773.27 856,1837.62 908.91,1890.54 v1(908.91,2219.54) ; v1(2233.02,1263.91) 2249.61,1247.32 U1.59@2290.83,1247.32
  Bottom Layer w6: v1(908.91,2219.54) 1047.54,2219.54 1077.91,2249.91 1111.02,2249.91 1116.02,2254.91 1116.02,2263.91 1120.02,2267.91 1128.02,2267.91 1133.02,2262.91 1133.02,2253.91 1137.02,2249.91 1145.02,2249.91 1150.02,2254.91 1150.02,2263.91 1154.02,2267.91 1162.02,2267.91 1167.02,2262.91 1167.02,2253.91 1171.02,2249.91 1179.02,2249.91 1184.02,2254.91 1184.02,2263.91 1188.02,2267.91 1196.02,2267.91 1201.02,2262.91 1201.02,2253.91 1205.02,2249.91 1213.02,2249.91 1218.02,2254.91 1218.02,2263.91 1222.02,2267.91 1230.02,2267.91 1235.02,2262.91 1235.02,2253.91 1239.02,2249.91 1247.02,2249.91 1252.02,2254.91 1252.02,2263.91 1256.02,2267.91 1264.02,2267.91 1269.02,2262.91 1269.02,2253.91 1273.02,2249.91 1281.02,2249.91 1286.02,2254.91 1286.02,2263.91 1290.02,2267.91 1298.02,2267.91 1303.02,2262.91 1303.02,2253.91 1307.02,2249.91 1315.02,2249.91 1320.02,2254.91 1320.02,2263.91 1324.02,2267.91 1332.02,2267.91 1337.02,2262.91 1337.02,2253.91 1341.02,2249.91 1349.02,2249.91 1354.02,2254.91 1354.02,2263.91 1358.02,2267.91 1366.02,2267.91 1371.02,2262.91 1371.02,2253.91 1375.02,2249.91 1383.02,2249.91 1388.02,2254.91 1388.02,2263.91 1392.02,2267.91 1400.02,2267.91 1405.02,2262.91 1405.02,2253.91 1409.02,2249.91 1417.02,2249.91 1422.02,2254.91 1422.02,2263.91 1426.02,2267.91 1434.02,2267.91 1439.02,2262.91 1439.02,2253.91 1443.02,2249.91 1451.02,2249.91 1456.02,2254.91 1456.02,2263.91 1460.02,2267.91 1468.02,2267.91 1473.02,2262.91 1473.02,2253.91 1477.02,2249.91 1485.02,2249.91 1490.02,2254.91 1490.02,2263.91 1494.02,2267.91 1502.02,2267.91 1507.02,2262.91 1507.02,2253.91 1511.02,2249.91 1519.02,2249.91 1524.02,2254.91 1524.02,2263.91 1528.02,2267.91 1536.02,2267.91 1541.02,2262.91 1541.02,2253.91 1545.02,2249.91 1553.02,2249.91 1558.02,2254.91 1558.02,2263.91 1562.02,2267.91 1570.02,2267.91 1575.02,2262.91 1575.02,2253.91 1579.02,2249.91 1587.02,2249.91 1592.02,2254.91 1592.02,2263.91 1596.02,2267.91 1604.02,2267.91 1609.02,2262.91 1609.02,2253.91 1613.02,2249.91 1621.02,2249.91 1626.02,2254.91 1626.02,2263.91 1630.02,2267.91 1638.02,2267.91 1643.02,2262.91 1643.02,2253.91 1647.02,2249.91 1655.02,2249.91 1660.02,2254.91 1660.02,2263.91 1664.02,2267.91 1672.02,2267.91 1677.02,2262.91 1677.02,2253.91 1681.02,2249.91 1689.02,2249.91 1694.02,2254.91 1694.02,2263.91 1698.02,2267.91 1706.02,2267.91 1711.02,2262.91 1711.02,2253.91 1715.02,2249.91 1723.02,2249.91 1728.02,2254.91 1728.02,2263.91 1732.02,2267.91 1740.02,2267.91 1745.02,2262.91 1745.02,2253.91 1749.02,2249.91 1757.02,2249.91 1762.02,2254.91 1762.02,2263.91 1766.02,2267.91 1774.02,2267.91 1779.02,2262.91 1779.02,2253.91 1783.02,2249.91 1791.02,2249.91 1796.02,2254.91 1796.02,2263.91 1800.02,2267.91 1808.02,2267.91 1813.02,2262.91 1813.02,2253.91 1817.02,2249.91 1825.02,2249.91 1830.02,2254.91 1830.02,2263.91 1834.02,2267.91 1842.02,2267.91 1847.02,2262.91 1847.02,2253.91 1851.02,2249.91 1859.02,2249.91 1864.02,2254.91 1864.02,2263.91 1868.02,2267.91 1876.02,2267.91 1881.02,2262.91 1881.02,2253.91 1885.02,2249.91 1893.02,2249.91 1898.02,2254.91 1898.02,2263.91 1902.02,2267.91 1910.02,2267.91 1915.02,2262.91 1915.02,2253.91 1919.02,2249.91 1927.02,2249.91 1932.02,2254.91 1932.02,2263.91 1936.02,2267.91 1944.02,2267.91 1949.02,2262.91 1949.02,2253.91 1953.02,2249.91 1961.02,2249.91 1966.02,2254.91 1966.02,2263.91 1970.02,2267.91 1978.02,2267.91 1983.02,2262.91 1983.02,2253.91 1987.02,2249.91 1995.02,2249.91 2000.02,2254.91 2000.02,2263.91 2004.02,2267.91 2012.02,2267.91 2017.02,2262.91 2017.02,2253.91 2021.02,2249.91 2029.02,2249.91 2033.02,2253.91 2033.02,2261.91 2039.02,2267.91 2052.12,2267.91 2173.02,2147 2173.02,1323.91 v1(2233.02,1263.91)
D3: U1.61 U2.35 | length 3493.4
  Top Layer w6: U2.35@817,1773.27 817,1850.62 868,1901.62 868,2192 v1(849,2211) ; v1(2235.02,1221.91) 2248.98,1207.95 U1.61@2290.83,1207.95
  Bottom Layer w6: v1(849,2211) 861.46,2198.54 1070.54,2198.54 1109.91,2237.91 2052.42,2237.91 2161.02,2129.3 2161.02,2118.91 2157.02,2114.91 2148.02,2114.91 2143.02,2109.91 2143.02,2102.91 2147.02,2098.91 2156.02,2098.91 2161.02,2093.91 2161.02,2086.91 2157.02,2082.91 2148.02,2082.91 2143.02,2077.91 2143.02,2070.91 2147.02,2066.91 2156.02,2066.91 2161.02,2061.91 2161.02,2054.91 2157.02,2050.91 2148.02,2050.91 2143.02,2045.91 2143.02,2038.91 2147.02,2034.91 2156.02,2034.91 2161.02,2029.91 2161.02,2022.91 2157.02,2018.91 2148.02,2018.91 2143.02,2013.91 2143.02,2006.91 2147.02,2002.91 2156.02,2002.91 2161.02,1997.91 2161.02,1990.91 2157.02,1986.91 2148.02,1986.91 2143.02,1981.91 2143.02,1974.91 2147.02,1970.91 2156.02,1970.91 2161.02,1965.91 2161.02,1958.91 2157.02,1954.91 2148.02,1954.91 2143.02,1949.91 2143.02,1942.91 2147.02,1938.91 2156.02,1938.91 2161.02,1933.91 2161.02,1926.91 2157.02,1922.91 2148.02,1922.91 2143.02,1917.91 2143.02,1910.91 2147.02,1906.91 2156.02,1906.91 2161.02,1901.91 2161.02,1894.91 2157.02,1890.91 2148.02,1890.91 2143.02,1885.91 2143.02,1878.91 2147.02,1874.91 2156.02,1874.91 2161.02,1869.91 2161.02,1862.91 2157.02,1858.91 2148.02,1858.91 2143.02,1853.91 2143.02,1846.91 2147.02,1842.91 2156.02,1842.91 2161.02,1837.91 2161.02,1830.91 2157.02,1826.91 2148.02,1826.91 2143.02,1821.91 2143.02,1814.91 2147.02,1810.91 2156.02,1810.91 2161.02,1805.91 2161.02,1798.91 2157.02,1794.91 2148.02,1794.91 2143.02,1789.91 2143.02,1782.91 2147.02,1778.91 2156.02,1778.91 2161.02,1773.91 2161.02,1766.91 2157.02,1762.91 2148.02,1762.91 2143.02,1757.91 2143.02,1750.91 2147.02,1746.91 2156.02,1746.91 2161.02,1741.91 2161.02,1734.91 2157.02,1730.91 2148.02,1730.91 2143.02,1725.91 2143.02,1718.91 2147.02,1714.91 2156.02,1714.91 2161.02,1709.91 2161.02,1702.91 2157.02,1698.91 2148.02,1698.91 2143.02,1693.91 2143.02,1686.91 2147.02,1682.91 2156.02,1682.91 2161.02,1677.91 2161.02,1670.91 2157.02,1666.91 2148.02,1666.91 2143.02,1661.91 2143.02,1654.91 2147.02,1650.91 2156.02,1650.91 2161.02,1645.91 2161.02,1638.91 2157.02,1634.91 2148.02,1634.91 2143.02,1629.91 2143.02,1622.91 2147.02,1618.91 2156.02,1618.91 2161.02,1613.91 2161.02,1606.91 2157.02,1602.91 2148.02,1602.91 2143.02,1597.91 2143.02,1590.91 2147.02,1586.91 2156.02,1586.91 2161.02,1581.91 2161.02,1574.91 2157.02,1570.91 2148.02,1570.91 2143.02,1565.91 2143.02,1558.91 2147.02,1554.91 2156.02,1554.91 2161.02,1549.91 2161.02,1542.91 2157.02,1538.91 2148.02,1538.91 2143.02,1533.91 2143.02,1526.91 2147.02,1522.91 2156.02,1522.91 2161.02,1517.91 2161.02,1510.91 2157.02,1506.91 2148.02,1506.91 2143.02,1501.91 2143.02,1494.91 2147.02,1490.91 2156.02,1490.91 2161.02,1485.91 2161.02,1478.91 2157.02,1474.91 2148.02,1474.91 2143.02,1469.91 2143.02,1462.91 2147.02,1458.91 2156.02,1458.91 2161.02,1453.91 2161.02,1446.91 2157.02,1442.91 2148.02,1442.91 2143.02,1437.91 2143.02,1430.91 2147.02,1426.91 2156.02,1426.91 2161.02,1421.91 2161.02,1414.91 2157.02,1410.91 2148.02,1410.91 2143.02,1405.91 2143.02,1398.91 2147.02,1394.91 2156.02,1394.91 2161.02,1389.91 2161.02,1382.91 2157.02,1378.91 2148.02,1378.91 2143.02,1373.91 2143.02,1366.91 2147.02,1362.91 2156.02,1362.91 2161.02,1357.91 2161.02,1350.91 2157.02,1346.91 2148.02,1346.91 2143.02,1341.91 2143.02,1334.91 2147.02,1330.91 2156.02,1330.91 2161.02,1325.91 2161.02,1318.91 2152.02,1309.91 2152.02,1296.91 2227.02,1221.91 v1(2235.02,1221.91)